# Allegro board pc051b_toplevel_177.brd (continued)
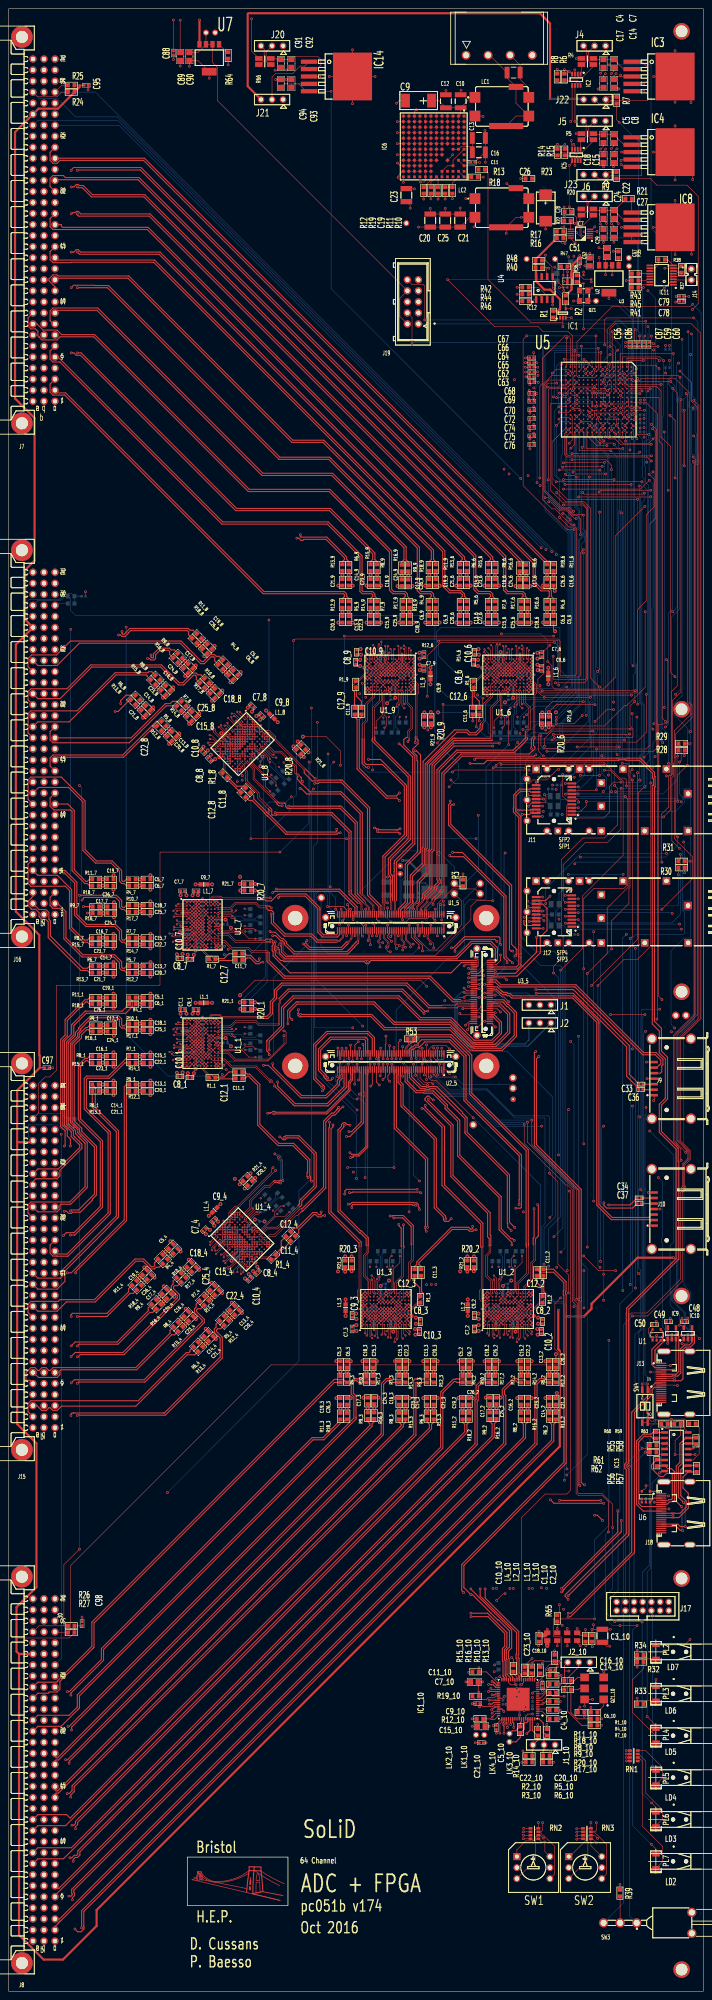
[diagram p0: board, top side]
## Routing (per net, layer and track width the routed paths; a pad name or vN(x,y) marks a point on that pad's centre or on a via; arc(x,y) is an arc through that point) (continued)
 J16.A16 5.59,286.91 ; J16.A16 4.56,285.88 ; J16.A16 6.62,285.88 ; 129,280.25 SFP1.16 ; SFP1.16 130,281.25 ; SFP1.16 129,282.25 ; SFP1.16 128,281.25 ; J15.B19 8.13,176.43 ; J15.B19 8.13,174.37 ; J15.B19 9.16,175.4 ; J15.B19 7.1,175.4 ; J8.C28 10.67,81.19 ; J8.C28 11.7,80.16 ; J8.C28 9.64,80.16 ; J8.C28 10.67,79.13 ; 10.67,71.51 J8.C25 ; J8.C25 10.67,73.57 ; J8.C25 11.7,72.54 ; J8.C25 9.64,72.54 ; 133.7,254.5 SFP3.15 ; SFP3.15 132.7,255.5 ; SFP3.15 134.7,255.5 ; SFP3.15 133.7,256.5 ; 150.93,131.87 J13.21 ; J13.21 150.93,133.63 ; J13.21 149.15,132.75 ; J13.21 152.71,132.75 ; 119.4,242.58 SFP4.1 ; SFP4.1 119.4,244.58 ; SFP4.1 120.4,243.58 ; SFP4.1 118.4,243.58 ; 5.59,320.41 J16.A30 ; J16.A30 4.56,321.44 ; J16.A30 5.59,322.47 ; J16.A30 6.62,321.44 ; J7.B21 8.13,417.71 ; J7.B21 7.1,416.68 ; J7.B21 8.13,415.65 ; J7.B21 9.16,416.68 ; 8.13,41.03 J8.B13 ; J8.B13 8.13,43.09 ; J8.B13 7.1,42.06 ; J8.B13 9.16,42.06 ; J15.A25 6.62,190.64 ; J15.A25 4.56,190.64 ; J15.A25 5.59,191.67 ; J15.A25 5.59,189.61 ; 8.13,256.91 J16.B5 ; J16.B5 7.1,257.94 ; J16.B5 8.13,258.97 ; J16.B5 9.16,257.94 ; SFP3.5 152.55,255.5 ; SFP3.5 151.5,254.45 ; SFP3.5 150.45,255.5 ; SFP3.5 151.5,256.55 ; 8.13,23.25 J8.B6 ; J8.B6 8.13,25.31 ; J8.B6 7.1,24.28 ; J8.B6 9.16,24.28 ; 9.64,247.78 J16.C1 ; J16.C1 11.7,247.78 ; J16.C1 10.67,248.81 ; J16.C1 10.67,246.75 ; 8.13,161.67 J15.B14 ; J15.B14 8.13,163.73 ; J15.B14 7.1,162.7 ; J15.B14 9.16,162.7 ; 7.1,409.06 J7.B18 ; J7.B18 8.13,408.03 ; J7.B18 8.13,410.09 ; J7.B18 9.16,409.06 ; 125.55,267 SFP1.4 ; SFP1.4 127.45,267 ; SFP1.4 126.5,267.95 ; SFP1.4 126.5,266.05 ; 10.67,41.03 J8.C13 ; J8.C13 10.67,43.09 ; J8.C13 9.64,42.06 ; J8.C13 11.7,42.06 ; 9.64,167.78 J15.C16 ; J15.C16 11.7,167.78 ; J15.C16 10.67,166.75 ; J15.C16 10.67,168.81 ; 93.34,393.83 J19.9 ; J19.9 94.37,392.8 ; J19.9 95.4,393.83 ; J19.9 94.37,394.86 ; J15.B20 8.13,178.97 ; J15.B20 8.13,176.91 ; J15.B20 9.16,177.94 ; J15.B20 7.1,177.94 ; J16.C22 11.7,301.12 ; J16.C22 10.67,300.09 ; J16.C22 10.67,302.15 ; J16.C22 9.64,301.12 ; SFP1.6 142.55,281.25 ; SFP1.6 141.5,280.2 ; SFP1.6 140.45,281.25 ; 7.1,77.62 J8.B27 ; J8.B27 8.13,78.65 ; J8.B27 8.13,76.59 ; J8.B27 9.16,77.62 ; SFP1.3 137.55,267 ; SFP1.3 136.5,268.05 ; SFP1.3 135.45,267 ; SFP1.3 136.5,265.95 ; 129,254.5 SFP3.16 ; SFP3.16 130,255.5 ; SFP3.16 129,256.5 ; SFP3.16 128,255.5 ; J8.B30 9.16,85.24 ; J8.B30 8.13,84.21 ; J8.B30 8.13,86.27 ; J8.B30 7.1,85.24 ; J15.B9 8.13,151.03 ; J15.B9 7.1,150 ; J15.B9 8.13,148.97 ; J15.B9 9.16,150 ; J16.B32 9.16,326.52 ; J16.B32 8.13,327.55 ; J16.B32 7.1,326.52 ; J16.B32 8.13,325.49 ; J13.20 150.93,148.13 ; J13.20 152.71,147.25 ; J13.20 150.93,146.37 ; J13.20 149.15,147.25 ; J8.B25 9.16,72.54 ; J8.B25 8.13,73.57 ; J8.B25 8.13,71.51 ; J8.B25 7.1,72.54 ; J8.B31 8.13,88.81 ; J8.B31 9.16,87.78 ; J8.B31 7.1,87.78 ; J8.B31 8.13,86.75 ; 10.67,387.71 J7.C10 ; J7.C10 10.67,389.77 ; J7.C10 9.64,388.74 ; J7.C10 11.7,388.74 ; 8.13,81.67 J8.B29 ; J8.B29 7.1,82.7 ; J8.B29 9.16,82.7 ; J8.B29 8.13,83.73 ; 5.59,166.75 J15.A16 ; J15.A16 5.59,168.81 ; J15.A16 6.62,167.78 ; J15.A16 4.56,167.78 ; 62.26,447.65 J20.1 ; J20.1 63.2,446.71 ; J20.1 63.2,448.59 ; J20.1 64.14,447.65 ; 141.5,254.45 SFP3.6 ; SFP3.6 140.45,255.5 ; SFP3.6 142.55,255.5 ; J7.B25 9.16,426.84 ; J7.B25 8.13,425.81 ; J7.B25 8.13,427.87 ; J7.B25 7.1,426.84 ; 7.1,16.66 J8.B3 ; J8.B3 8.13,17.69 ; J8.B3 8.13,15.63 ; J8.B3 9.16,16.66 ; J16.C31 10.67,325.01 ; J16.C31 11.7,323.98 ; J16.C31 9.64,323.98 ; J16.C31 10.67,322.95 ; 5.59,25.79 J8.A7 ; J8.A7 6.62,26.82 ; J8.A7 4.56,26.82 ; J8.A7 5.59,27.85 ; J7.B24 9.16,424.3 ; J7.B24 7.1,424.3 ; J7.B24 8.13,425.33 ; J7.B24 8.13,423.27 ; 5.59,48.65 J8.A16 ; J8.A16 6.62,49.68 ; J8.A16 4.56,49.68 ; J8.A16 5.59,50.71 ; J16.B30 8.13,322.47 ; J16.B30 8.13,320.41 ; J16.B30 7.1,321.44 ; J16.B30 9.16,321.44 ; J13.22 156.9,148.13 ; J13.22 156.9,146.37 ; J13.22 158.38,147.25 ; J13.22 155.42,147.25 ; 5.59,159.13 J15.A13 ; J15.A13 6.62,160.16 ; J15.A13 4.56,160.16 ; J15.A13 5.59,161.19 ; 5.59,71.51 J8.A25 ; J8.A25 6.62,72.54 ; J8.A25 5.59,73.57 ; J8.A25 4.56,72.54 ; 8.13,61.35 J8.B21 ; J8.B21 9.16,62.38 ; J8.B21 8.13,63.41 ; J8.B21 7.1,62.38 ; 146.76,189.2 J10.9 ; J10.9 148.14,187.82 ; J10.9 149.52,189.2 ; J10.9 148.14,190.58 ; J16.A4 5.59,256.43 ; J16.A4 5.59,254.37 ; J16.A4 4.56,255.4 ; J16.A4 6.62,255.4 ; 128,241.25 SFP3.13 ; SFP3.13 129,240.25 ; SFP3.13 129,242.25 ; SFP3.13 130,241.25 ; 8.13,151.51 J15.B10 ; J15.B10 8.13,153.57 ; J15.B10 7.1,152.54 ; J15.B10 9.16,152.54 ; 130.45,281.25 SFP1.7 ; SFP1.7 132.55,281.25 ; SFP1.7 131.5,282.3 ; 5.59,418.19 J7.A22 ; J7.A22 6.62,419.22 ; J7.A22 4.56,419.22 ; J7.A22 5.59,420.25 ; J7.B3 8.13,371.99 ; J7.B3 7.1,370.96 ; J7.B3 9.16,370.96 ; J7.B3 8.13,369.93 ; J16.B17 9.16,288.42 ; J16.B17 8.13,289.45 ; J16.B17 8.13,287.39 ; J16.B17 7.1,288.42 ; J8.C4 10.67,20.23 ; J8.C4 11.7,19.2 ; J8.C4 10.67,18.17 ; J8.C4 9.64,19.2 ; J16.B6 8.13,261.51 ; J16.B6 9.16,260.48 ; J16.B6 7.1,260.48 ; J16.B6 8.13,259.45 ; J15.B13 8.13,161.19 ; J15.B13 8.13,159.13 ; J15.B13 9.16,160.16 ; J15.B13 7.1,160.16 ; J8.B5 8.13,22.77 ; J8.B5 9.16,21.74 ; J8.B5 8.13,20.71 ; J8.B5 7.1,21.74 ; 9.64,442.08 J7.C31 ; J7.C31 11.7,442.08 ; J7.C31 10.67,441.05 ; J7.C31 10.67,443.11 ; 7.1,268.1 J16.B9 ; J16.B9 8.13,269.13 ; J16.B9 8.13,267.07 ; J16.B9 9.16,268.1 ; J7.A10 6.62,388.74 ; J7.A10 5.59,387.71 ; J7.A10 5.59,389.77 ; J7.A10 4.56,388.74 ; 7.1,144.92 J15.B7 ; J15.B7 9.16,144.92 ; J15.B7 8.13,143.89 ; J15.B7 8.13,145.95 ; 7.1,391.28 J7.B11 ; J7.B11 8.13,390.25 ; J7.B11 8.13,392.31 ; J7.B11 9.16,391.28 ; J8.B9 9.16,31.9 ; J8.B9 8.13,30.87 ; J8.B9 8.13,32.93 ; J8.B9 7.1,31.9
  L2 w0.25: 85.8,146.2 85.8,147.2 ; 33.85,219.25 34.85,219.25 ; 116.1,313.75 116.1,312.75 ; 46.99,295.41 47.7,294.71 ; 45.39,166.14 46.09,166.85 ; 33.85,246.5 34.85,246.5 ; 113.95,146.2 113.95,147.2 ; 88.95,313.75 88.95,312.75
  L4 w0.13: v1(133.85,363.3) 134.75,364.2 136.9,364.2 ; 136.9,364.2 v1(136.9,365.25) ; 136.9,364.2 v1(139.85,364.2) ; v1(100.45,227.95) 98.55,227.95 95.8,230.7 95.8,242 96.35,242.55 v1(100.4,242.55)
  BOTTOM w0.13: v2(80.8,157) R19_3.1 ; C38.1 v1(127.5,270.8) ; C73.1 131.2,397.2 v1(131.55,396.85) 131.55,396.55 C71.1 ; v2(84.13,152.17) 84.1,152.2 C1_3.1 ; C42.1 v1(131.15,243.15) ; C46.1 121.08,246.72 121.08,247.75 ; C85.1 v1(146.35,357.6) ; C3.2 v1(87.25,250.45) ; v2(49.49,177.31) R19_4.1 ; v1(125.8,396.7) 126.2,396.3 C77.1 ; C41.1 v1(123.15,271.5) ; C1_7.1 39.85,248.2 v2(39.82,248.17) ; C1_8.1 52.44,292.37 v2(52.4,292.37) ; C1_2.1 112.25,152.2 v2(112.28,152.17) ; C31.1 v1(130.25,279.35) ; C40.1 v1(129.7,253.45) ; C43.1 120.5,248.8 v1(119.6,249.7) ; C58.1 v1(146.35,361.9) ; C1_1.1 39.85,220.95 v2(39.82,220.92) ; C1_9.1 90.65,307.75 v2(90.62,307.78) ; v1(126.75,246.7) 126.65,246.8 C47.1 ; C83.1 C82.1 96.45,248.8 v1(97.75,250.1) ; C2.2 92.5,251.7 C1.1 ; v1(125.3,277.55) C30.1 ; v1(100.4,242.55) 99.75,243.2 v1(99.75,246.57) ; SFP2.2 119.62,274.35 C35.1 ; 121.08,247.75 C44.1 ; 121.08,247.75 120.03,247.75 SFP4.2 ; C32.1 v1(123.65,279.4) ; C84.1 v1(146.35,359.8) ; v2(44.65,251.5) R19_7.1 ; C55.1 v1(146.4,366.2) ; C1_6.1 117.8,307.75 v2(117.77,307.78) ; v1(93.25,249.03) 92.93,249.35 C80.1 C81.1 ; v1(126.1,276.55) 126,276.65 C39.1 ; v2(121.1,302.95) R19_6.1 ; C45.1 119.95,250.4 v1(119.5,250.85) ; v2(93.95,302.95) R19_9.1 ; C54.1 v1(152.2,375.25) ; C1_4.1 48.43,171.59 v2(48.43,171.55) ; v2(58.16,291.31) R19_8.1 ; v2(108.95,157) R19_2.1 ; C61.1 v1(127.95,375.55) ; C53.1 v1(152.2,378.7) ; v2(44.65,224.25) R19_1.1
  BOTTOM w0.17: C12_10.1 v1(117.05,69.65) ; v1(111.91,75.1) 112.36,75.55 C19_10.1 ; C8_10.1 v1(120.65,65) ; v1(118.75,64.6) 118.2,65.15 C17_10.1 ; C13_10.1 v1(114.59,66.05)
  BOTTOM w0.25: C2_6.1 112.8,307.65 v3(113.3,308.15) 113.8,307.65 C28_6.1 113.9,307.1 v2(114.85,308.05) ; v3(120.95,155.4) 120.9,155.4 C27_2.1 ; C27_4.1 56.81,167.73 v3(56.84,167.7) ; C4_2.1 113.95,162.2 v3(113.85,162.3) 114.3,162.75 C3_2.1 v3(115.75,163.55) ; v3(51.2,217.45) C3_1.1 50.4,218.9 v3(49.95,219.35) 49.85,219.25 C4_1.1 ; v3(57.99,281.87) C3_8.1 58.45,283.46 v3(58.45,284.1) 58.3,284.1 C4_8.1 ; C2.2 93.25,250.95 v1(93.25,249.03) ; v3(51.2,244.7) C3_7.1 50.4,246.15 v3(49.95,246.6) 49.85,246.5 C4_7.1 ; C2_3.1 89.1,152.3 v3(88.6,151.8) 88.1,152.3 C28_3.1 88,152.85 v2(87.05,151.9) ; v3(87.6,163.55) C3_3.1 86.15,162.75 v3(85.7,162.3) 85.8,162.2 C4_3.1 ; v3(43.05,212.25) 43.05,212.3 C27_1.1 ; C27_8.1 48.58,283.99 v3(48.55,283.96) ; v2(50.3,169.29) 51.64,169.29 51.71,169.22 51.33,168.83 v3(51.33,168.12) 52.03,168.12 C2_4.1 ; v2(39.55,245.25) 40.5,244.3 C28_7.1 39.95,244.2 v3(39.45,243.7) 39.95,243.2 C2_7.1 ; v3(81.95,304.55) 82,304.55 C27_9.1 ; v3(109.1,304.55) 109.15,304.55 C27_6.1 ; v2(87.7,308.05) 86.75,307.1 C28_9.1 86.65,307.65 v3(86.15,308.15) 85.65,307.65 C2_9.1 ; C27_7.1 43.05,239.55 v3(43.05,239.5) ; v3(58.93,177.14) C3_4.1 57.34,177.6 v3(56.7,177.6) 56.7,177.45 C4_4.1 ; v3(92.8,155.4) 92.75,155.4 C27_3.1 ; C4_9.1 88.95,297.75 v3(89.05,297.65) 88.6,297.2 C3_9.1 v3(87.15,296.4) ; v2(115.2,151.9) 116.15,152.85 C28_2.1 116.25,152.3 v3(116.75,151.8) 117.25,152.3 C2_2.1 ; v2(50.14,290.5) 50.14,289.16 C28_8.1 49.68,289.47 v3(48.97,289.47) 48.97,288.77 C2_8.1 ; v2(39.55,218) 40.5,217.05 C28_1.1 39.95,216.95 v3(39.45,216.45) 39.95,215.95 C2_1.1 ; C96.1 v1(17.7,322.05) ; C4_6.1 116.1,297.75 v3(116.2,297.65) 115.75,297.2 C3_6.1 114.5,296.6 v3(114.3,296.6)
  vias: v1(119.05,65.4)
